# Altium PCB DB_Main-X01.PcbDoc (part 1 of 2)
Units mm, origin at the board's own origin, x right, y up, seen from the top; angles counter-clockwise.
Board outline 99.57 x 76.45 mm, 2 copper layers (Top Layer, Bottom Layer), stack 1.711 mm thick; 143 components, 90 nets, 453 pads, 275 vias.
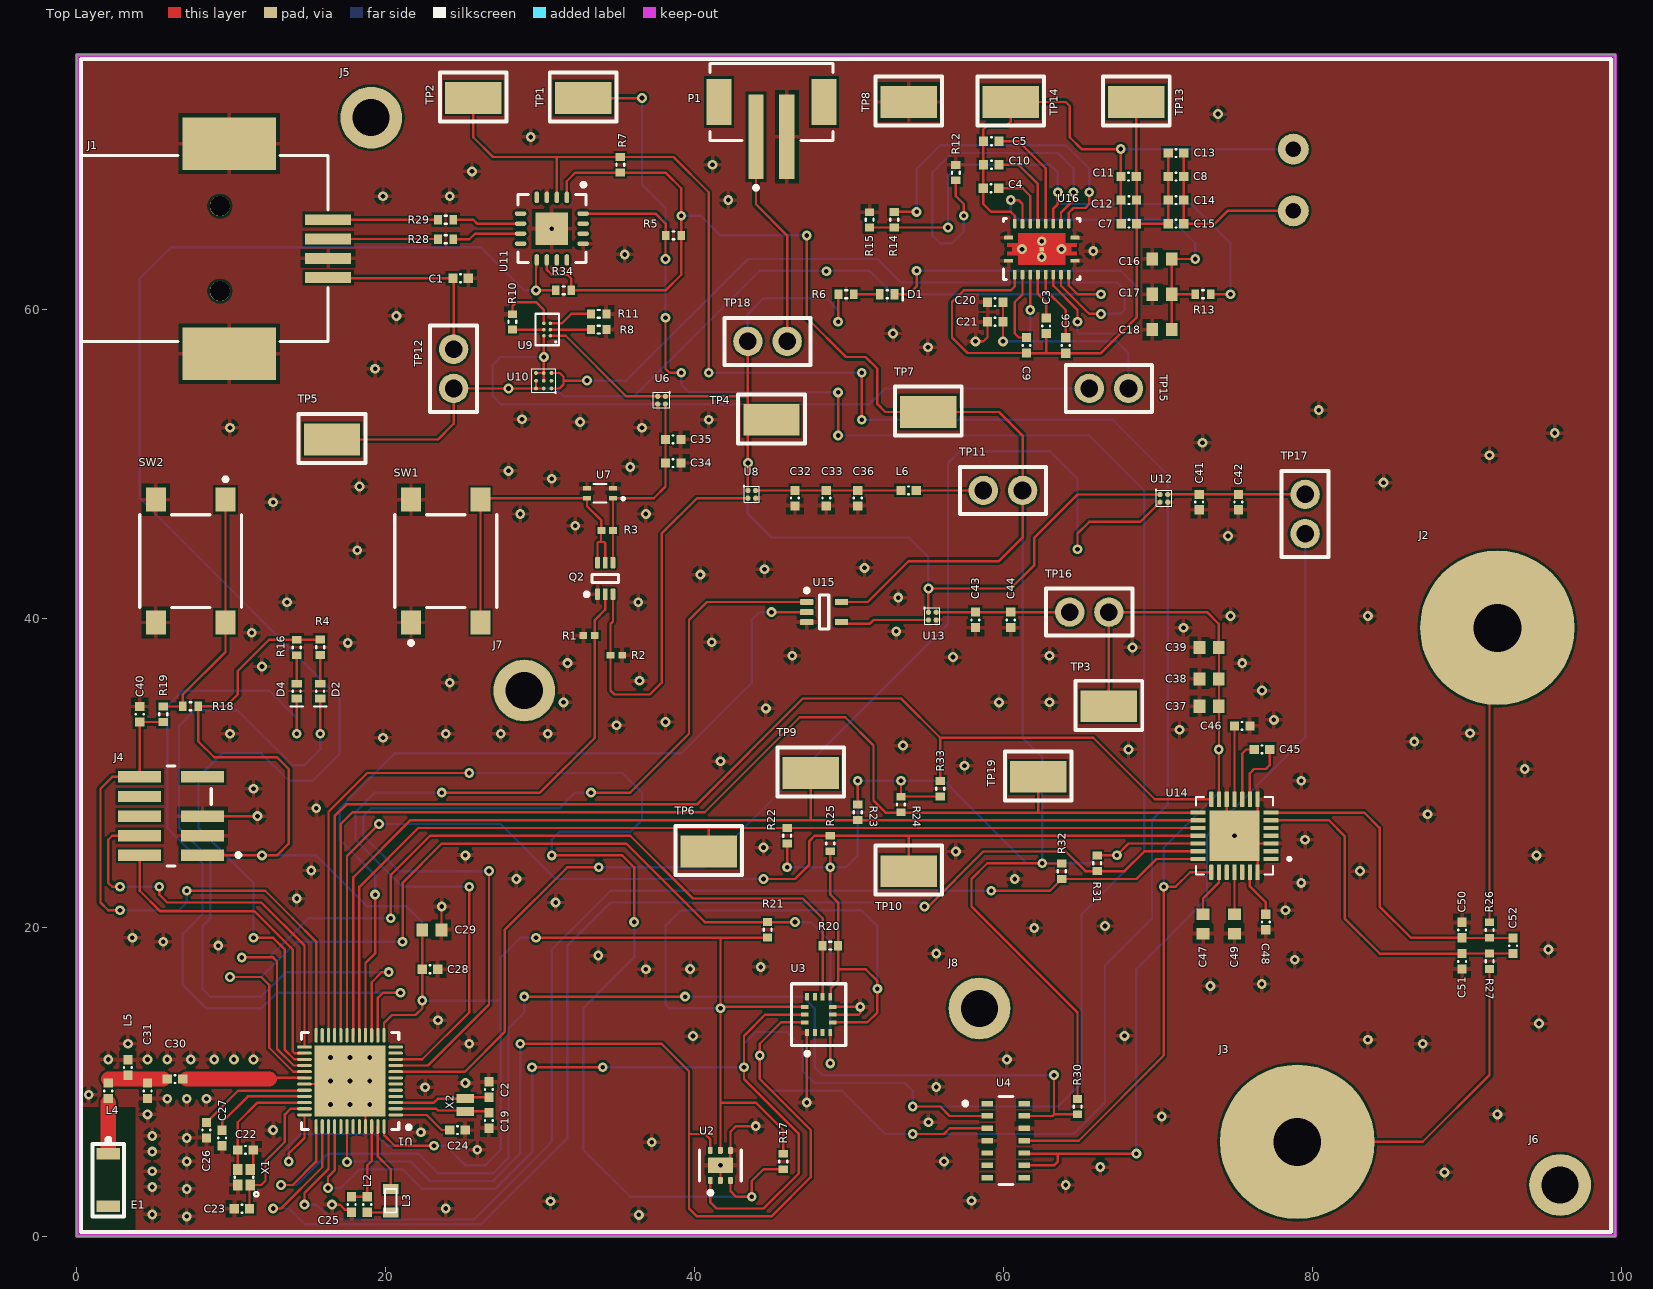
[diagram p0: Top Layer view]
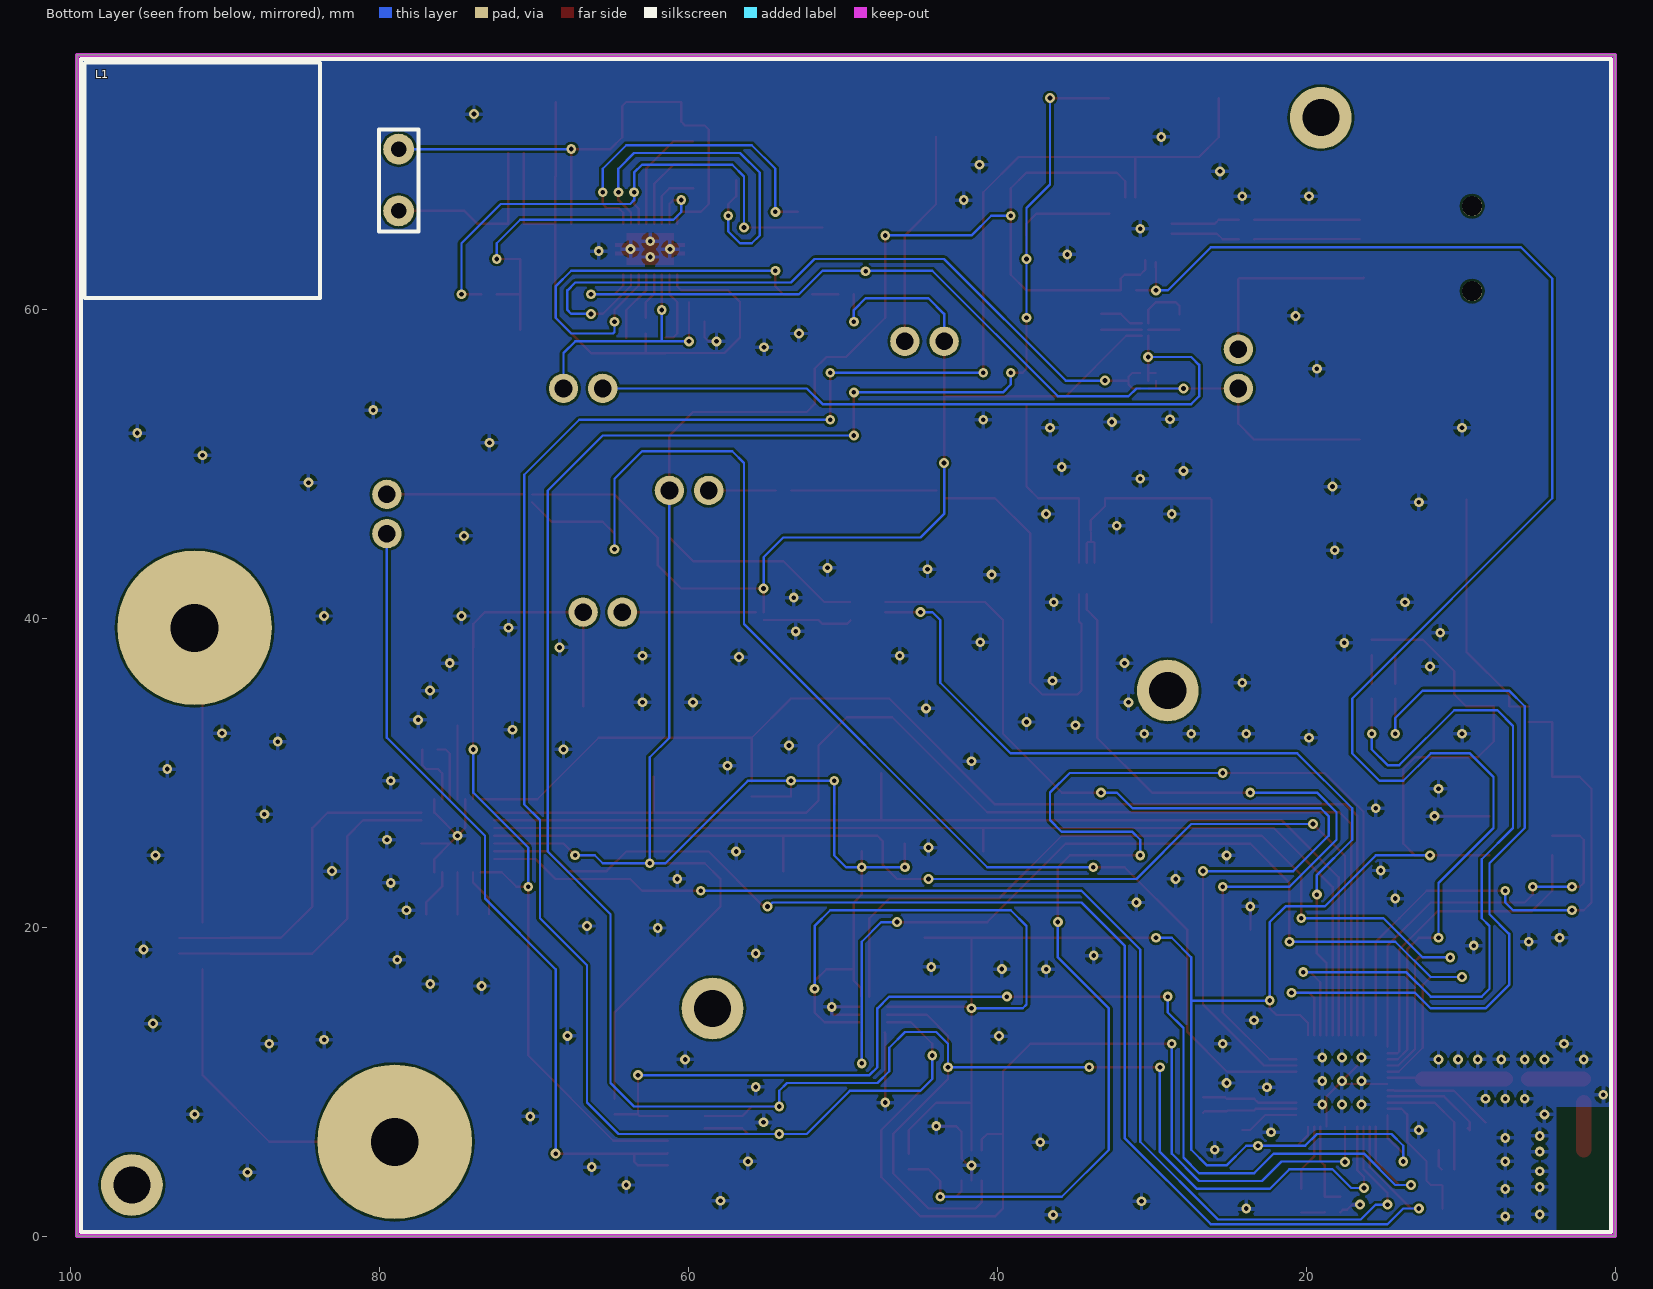
[diagram p1: Bottom Layer view, seen from below]
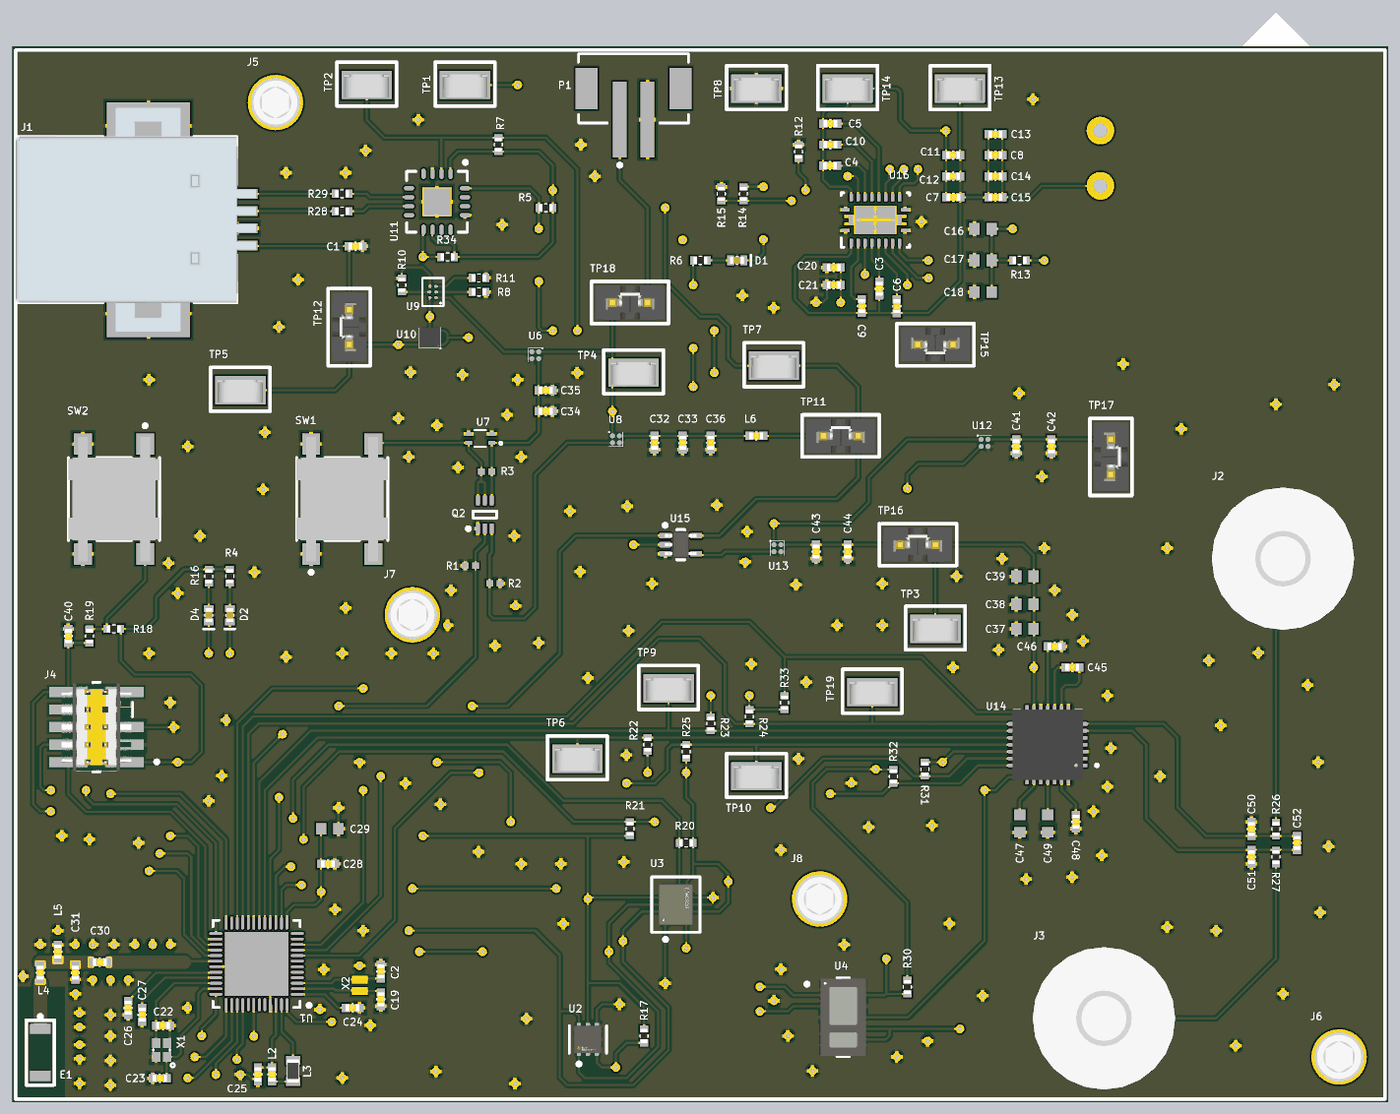
[diagram p3: 3D render of the assembled board from above, using the file's embedded part models]

## Layer stack, top to bottom
Top Solder: solder mask 0.0254, SM-001, Dk 4
Top Layer: signal copper 0.035
Dielectric 2: prepreg 0.0711, PP-006, Dk 4.1
Dielectric 1: core 1.4986, Core-043, Dk 4.3
Dielectric 3: prepreg 0.0711, PP-006, Dk 4.1
Bottom Layer: signal copper 0.035
Bottom Solder: solder mask 0.0254, SM-001, Dk 4

## Board outline
0,0 99.568,0 99.568,76.454 0,76.454

## Design rules (kind name [scope] priority, off if disabled: settings)
Clearance [All] p1: gap=0.152 ignorepadtopadclearanceinfootprint=FALSE
ComponentClearance [All] p1: gap=0.381 collisioncheckmode=3 verticalgap=0.254 showdistances=FALSE
HoleSize [All] p1: absolutevalues=TRUE maxlimit=5.08 minlimit=0.305 maxpercent=80.000 minpercent=20.000
MinimumSolderMaskSliver [All] p1: minsoldermaskwidth=0.152
PolygonConnect [All] p1: connectstyle=Relief reliefconductorwidth=0.254 reliefentries=4 polygonreliefangle="90 Angle" airgapwidth=0.254
RoutingVias [All] p1: holewidth=0.406 width=0.762 viastyle="Through Hole" minholewidth=0.305 minwidth=0.305 maxholewidth=2.54 maxwidth=1.27
SilkToSilkClearance [All] p1: silktosilkclearance=0.152
SilkToSolderMaskClearance [IsPad] p1: minsilkscreentomaskgap=0.152 clearancetoexposedcopper=TRUE
SolderMaskExpansion [All] p1: expansion=0.102 istentingtop=FALSE
UnRoutedNet [All] p1: checkbadconnections=TRUE
Width [All] p1: maxlimit=1.27 minlimit=0.152 preferedwidth=0.152
24 further rules are at their usual default settings.

## Classes and differential pairs
component class DB_ECG-X01: C37 C38 C39 C45 C46 C47 C48 C49 C50 C51 C52 J2 J3 R26 R27 U14
component class DB_Power-X01: C1 C3 C4 C5 C6 C7 C8 C9 C10 C11 C12 C13 C14 C15 C16 C17 C18 C20 C21 C32 C33 C34 C35 C36 D1 J1 L1 L6 P1 Q2 R1 R2 R3 R6 R8 R10 R11 R12 R13 R14 R15 SW1 TP11 TP12 TP13 TP14 TP15 TP18 U6 U7 U8 U9 U10 U16
component class DB_Pheripherals-X01: C41 C42 C43 C44 J5 J6 J7 J8 R28 R29 TP16 TP17 U2 U3 U4 U11 U12 U13 U15
component class DB_Main-X01: C2 C19 C22 C23 C24 C25 C26 C27 C28 C29 C30 C31 C40 D2 D4 E1 J4 L2 L3 L4 L5 R4 R5 R7 R16 R17 R18 R19 R20 R21 R22 R23 R24 R25 R30 R31 R32 R33 R34 SW2 TP1 TP2 TP3 TP4 TP5 TP6 TP7 TP8 TP9 TP10 TP19 U1 X1 X2

## Components (designator, comment, footprint, x,y, rotation, side; value= is the part's Value field where it differs from the comment)
C1 "1uF" C0402 24.839,61.991 r0 top
C2 "14pF" C0402 26.67,9.488 r270 top
C3 "470nF" C0402 62.738,58.92 r90 top
C4 "10nF" C0402 59.174,67.818 r0 top
C5 "22nF" C0402 59.19,70.866 r0 top
C6 "22nF" C0402 64.008,57.65 r90 top
C7 "68pF" C0402 68.096,65.532 r180 top
C8 "100nF" C0402 71.144,68.58 r180 top
C9 "10nF" C0402 61.468,57.658 r90 top
C10 "470nF" C0402 59.19,69.342 r0 top
C11 "2nF" C0402 68.08,68.58 r180 top
C12 "100pF" C0402 68.088,67.056 r180 top
C13 "10nF" C0402 71.144,70.104 r180 top
C14 "100nF" C0402 71.144,67.056 r180 top
C15 "4.7nF" C0402 71.144,65.532 r180 top
C16 "10uF" C0603 70.241,63.246 r180 top
C17 "10uF" C0603 70.241,60.96 r180 top
C18 "100nF" C0603 70.241,58.674 r180 top
C19 "14pF" C0402 26.67,7.472 r90 top
C20 "4.7uF" C0402 59.444,60.452 r0 top
C21 "4.7uF" C0402 59.444,59.182 r0 top
C22 "12pF" C0402 10.914,5.572 r0 top
C23 "12pF" C0402 10.676,1.762 r180 top
C24 "100nF" C0402 24.63,6.858 r0 top
C25 "1uF" C0402 17.78,2.04 r90 top
C26 "100pF" C0402 8.382,6.85 r270 top
C27 "100pF" C0402 9.398,6.35 r270 top
C28 "4.7uF" C0402 22.852,17.272 r0 top
C29 "100nF" C0603 22.977,19.812 r180 top
C30 "0.5pF" C0402 6.342,10.16 r180 top
C31 "2pF" C0402 4.572,9.398 r270 top
C32 "4.7uF" C0402 46.482,47.76 r270 top
C33 "1uF" C0402 48.514,47.76 r270 top
C34 "1uF" C0402 38.6,50.038 r0 top
C35 "100nF" C0402 38.6,51.562 r180 top
C36 "100nF" C0402 50.546,47.76 r90 top
C37 "100nF" C0603 73.289,34.29 r180 top
C38 "100nF" C0603 73.289,36.068 r180 top
C39 "10uF" C0603 73.289,38.1 r180 top
C40 "1uF" C0402 4.064,33.774 r270 top
C41 "1uF" C0402 72.644,47.506 r270 top
C42 "100nF" C0402 75.184,47.506 r90 top
C43 "1uF" C0402 58.166,39.886 r270 top
C44 "100nF" C0402 60.452,39.886 r90 top
C45 "1uF" C0402 76.708,31.496 r180 top
C46 "1nF" C0402 75.43,33.02 r180 top
C47 "10uF" C0603 72.898,20.203 r90 top
C48 "1uF" C0402 76.962,20.328 r270 top
C49 "10uF" C0603 74.93,20.203 r90 top
C50 "10pF" C0402 89.662,19.804 r270 top
C51 "10pF" C0402 89.662,17.78 r270 top
C52 "1nF" C0402 92.964,18.788 r270 top
D1 "Yellow" LED_0402 52.451,60.96 r0 top
D2 "Orange" LED_0402 15.748,35.273 r270 top
D4 "Red" LED_0402 14.224,35.273 r270 top
E1 "2450AT18B100" 2450AT18B100 2.032,5.334 r270 top
J1 "62910416121" 62910416121 8.256,63.911 r270 top
J2 "ECG_STUD_EYELET" ECG_STUD 91.948,39.37 r0 top
J3 "ECG_STUD_EYELET" ECG_STUD 78.994,6.096 r0 top
J4 "FTSH-105-01-L-DV-007-K" FTSH-105-01-L-DV-007-K 8.128,24.638 r0 top
J5 "M2/2-56 Mounting Hole" "Mounting Hole" 19.05,72.39 r0 top
J6 "M2/2-56 Mounting Hole" "Mounting Hole" 96.012,3.302 r0 top
J7 "M2/2-56 Mounting Hole" "Mounting Hole" 28.956,35.306 r0 top
J8 "M2/2-56 Mounting Hole" "Mounting Hole" 58.42,14.732 r0 top
L1 "WIRELESS CHARGING COIL, RECEIVER" 760308101219 91.44,68.326 r180 bottom
L2 "15nH" L0402 18.796,2.04 r270 top
L3 "10uH" L0603 20.32,2.286 r90 top
L4 "9nH" L0402 2.032,9.398 r270 top
L5 "2nH" L0402 3.302,10.914 r270 top
L6 "1uH" L0402 53.84,48.26 r0 top
P1 "B2B-PH-SM4-TB(LF)(SN)" JST-B2B-PH-SM4-TB-2_V 44.958,73.406 r180 top
Q2 "dual fet SSMini6" SSMini6-F3-B 34.2,42.565 r90 top
R1 "AC0402FR-071ML" RESC1005X37X25LL05T10 33.153,38.862 r180 top
R2 "AC0402FR-071ML" RESC1005X37X25LL05T10 34.919,37.592 r0 top
R3 "AC0402FR-071ML" RESC1005X37X25LL05T10 34.325,45.671 r180 top
R4 "422R" R0402 15.748,38.108 r270 top
R5 "3.3kR" R0402 38.616,64.77 r180 top
R6 "464R" R0402 49.792,60.96 r180 top
R7 "3.3kR" R0402 35.179,69.35 r90 top
R8 "10kR" R0402 33.774,58.674 r180 top
R10 "1.3kR" R0402 28.194,59.174 r90 top
R11 "10kR" R0402 33.774,59.69 r180 top
R12 "10kR" R0402 56.896,68.834 r90 top
R13 "20kR" R0402 72.89,60.96 r0 top
R14 "2kR" R0402 52.908,65.786 r270 top
R15 "196R" R0402 51.308,65.778 r270 top
R16 "422R" R0402 14.224,38.1 r270 top
R17 "3.3kR" R0402 45.72,4.818 r270 top
R18 "10kR" R0402 7.358,34.29 r180 top
R19 "10kR" R0402 5.588,33.774 r270 top
R20 "3.3kR" R0402 48.76,18.796 r180 top
R21 "3.3kR" R0402 44.704,19.82 r90 top
R22 "3.3kR" R0402 45.974,25.908 r90 top
R23 "3.3kR" R0402 50.546,27.432 r270 top
R24 "3.3kR" R0402 53.34,27.932 r270 top
R25 "3.3kR" R0402 48.768,25.408 r90 top
R26 "49.9kR" R0402 91.44,19.804 r270 top
R27 "49.9kR" R0402 91.44,17.78 r90 top
R28 "22R" R0402 23.868,64.516 r0 top
R29 "22R" R0402 23.868,65.786 r0 top
R30 "3.3kR" R0402 64.77,8.374 r270 top
R31 "3.3kR" R0402 66.04,24.13 r270 top
R32 "3.3kR" R0402 63.754,23.614 r270 top
R33 "3.3kR" R0402 55.88,28.948 r90 top
R34 "3.3kR" R0402 31.504,61.214 r180 top
SW1 "B3S-1000" OMRON-B3S-1000-4_V 23.876,43.688 r90 top
SW2 "B3S-1000" OMRON-B3S-1000-4_V 7.366,43.688 r270 top
TP1 "S1751-46R" S1751-46R 32.766,73.66 r0 top
TP2 "S1751-46R" S1751-46R 25.654,73.66 r0 top
TP3 "S1751-46R" S1751-46R 66.802,34.29 r0 top
TP4 "S1751-46R" S1751-46R 44.958,52.832 r0 top
TP5 "S1751-46R" S1751-46R 16.51,51.562 r0 top
TP6 "S1751-46R" S1751-46R 40.894,24.892 r0 top
TP7 "S1751-46R" S1751-46R 55.118,53.34 r0 top
TP8 "S1751-46R" S1751-46R 53.848,73.406 r0 top
TP9 "S1751-46R" S1751-46R 47.498,29.972 r0 top
TP10 "S1751-46R" S1751-46R 53.848,23.622 r0 top
TP11 "JUMPER" JUMPER 58.674,48.26 r0 top
TP12 "JUMPER" JUMPER 24.384,54.864 r90 top
TP13 "S1751-46R" S1751-46R 68.58,73.406 r0 top
TP14 "S1751-46R" S1751-46R 60.452,73.406 r0 top
TP15 "JUMPER" JUMPER 68.072,54.864 r180 top
TP16 "JUMPER" JUMPER 64.262,40.386 r0 top
TP17 "JUMPER" JUMPER 79.502,48.006 r270 top
TP18 "JUMPER" JUMPER 43.434,57.912 r0 top
TP19 "S1751-46R" S1751-46R 62.23,29.718 r0 top
U1 "NRF52832-QFAA-R7" NRF52832-QFAA-R7 17.682,10.036 r0 top
U2 "TMP117AIDRVR" TMP117AIDRVR 41.656,4.572 r0 top
U3 "BMI160" FP-BMI160-MFG 48.018,14.332 r90 top
U4 "MAX30102EFD+" FP-F143A5-1-MFG 60.128,6.172 r0 top
U6 "ADP160" ADP160 37.846,54.102 r270 top
U7 "S-5712ANSL2-I4T1U" SNT-4A 33.86,48.077 r90 top
U8 "ADP160" ADP160 43.684,48.01 r0 top
U9 "BQ25100YFPT" YZP0006 30.446,58.674 r180 top
U10 "CSD75207W15" YZF0009 30.218,55.364 r180 top
U11 "FT201XQ-R" QFN-16_N 30.741,65.207 r0 top
U12 "ADP160" ADP160 70.358,47.752 r0 top
U13 "ADP160" ADP160 55.368,40.128 r0 top
U14 "MAX30003CTI+" QFN50P500X500X80-29N 74.93,25.908 r180 top
U15 "SN74LVC1G32DCKR" DCK0005A_N 48.369,40.386 r0 top
U16 "BQ51013BRHLR" BQ51013BRHLR 62.456,63.882 r0 top
X1 "32MHz" CRYSTAL_1MM6_X_1MM2 10.814,3.802 r90 top
X2 "32.768 kHz" CRYSTAL_1MM2_X_1MM0 25.146,8.48 r270 top

## Footprints (in the part's own frame and the unit in brackets; to place one, negate y for a bottom-side part, rotate by r counter-clockwise, add the part's x,y. Pads: shape width x height; smd on the part's side, far side on the other; paste and mask are expansions set on the pad)
2450AT18B100 [mm] "2.4GHz Mini Antenna SMD, 50 ohm Resistence"
  rect 0.74x1.5 smd mask+0.03: 1(0,0) 2(3.406,0)
  silkscreen extent -1.02,-1.02 4.06,1.02, body extent -0.05,-0.9 3.35,0.9, height 1.4
62910416121 [mm] "USB 2.0 Type B SMT Horizontal"
  rect 0.7x3 smd: 1(1.875,8) 2(-0.625,8) 3(-1.875,8) 4(0.625,8)
  round 1.3 hole 1.3 unplated: MH1(-2.75,1) MH2(2.75,1)
  rect 3.4x6.04 smd: Shell(-6.8,1.6) Shell(6.8,1.6)
  silkscreen extent -6.02,-8 6.02,8, body extent -8.1,-8 8.1,9.39, height 11.16
760308101219 [mm] "WE-WPCC WIRELESS POWER TRANSFER RECEIVER COIL"
  round 2 hole 1: 1(12.7,2.032) 2(12.7,-1.968)
  silkscreen extent -7.62,-7.62 13.97,7.62, body extent -7.5,-7.5 32.5,10.61, height 1.34
ADP160 [mm] "4-Ball WLCSP, CB-4-4"
  round 0.34 smd paste+0.01 mask+0.01: A1(-0.25,0.25) A2(0.25,0.25) B1(-0.25,-0.25) B2(0.25,-0.25)
  silkscreen extent -0.55,-0.53 0.5,0.58, body extent -0.48,-0.48 0.48,0.48, height 0.69
BQ51013BRHLR [mm]
  rrect42% 0.6x0.24 smd: 1(-2.15,-0.75) 10(2.15,-0.75) 11(2.15,0.75) 20(-2.15,0.75)
  rrect42% 0.24x0.6 smd: 2(-1.75,-1.65) 3(-1.25,-1.65) 4(-0.75,-1.65) 5(-0.25,-1.65) 6(0.25,-1.65) 7(0.75,-1.65) 8(1.25,-1.65) 9(1.75,-1.65) 12(1.75,1.65) 13(1.25,1.65) 14(0.75,1.65) 15(0.25,1.65) 16(-0.25,1.65) 17(-0.75,1.65) 18(-1.25,1.65) 19(-1.75,1.65)
  rrect33% 0.3x0.3 smd paste-0.15 mask+0: 21(0,0)
  Top Layer region: -2.25,0.16 -1.925,0.16 -1.925,-0.16 -2.25,-0.16 -2.25,-0.39 -1.525,-0.39 -1.525,-1.025 1.525,-1.025 1.525,-0.39 2.25,-0.39 2.25,-0.16 1.925,-0.16 1.925,0.16 2.25,0.16 2.25,0.39 1.525,0.39 1.525,1.025 -1.525,1.025 -1.525,0.39 -2.25,0.39
  silkscreen extent -2.47,-1.98 2.47,1.97, body extent -2.32,-1.83 2.33,1.83, height 1.01
C0402 [mm]
  rect 0.6x0.6 smd: 1(-0.5,0) 2(0.5,0)
  silkscreen extent -0.02,-0.25 0.02,0.25, body extent -0.5,-0.25 0.5,0.25, height 0.55
C0603 [mm]
  rect 0.75x0.85 smd: 1(-0.625,0) 2(0.625,0)
  body extent -0.85,-0.45 0.85,0.45, height 0.9
CRYSTAL_1MM2_X_1MM0 [mm] "Crystal 1.2 x 1.0 x 0.35mm"
  rect 0.575x1.14 smd paste-0.5 mask+0.06: 1(-0.41,0) 2(0.41,0)
  body extent -0.6,-0.5 0.6,0.5, height 0.35
CRYSTAL_1MM6_X_1MM2 [mm] "1.6 x 1.2 x 0.35mm 4-pin crystal"
  rect 0.7x0.6 smd mask+0.036: 1(-0.5,-0.4) 2(0.5,-0.4) 3(0.5,0.4) 4(-0.5,0.4)
  silkscreen extent -1.24,-0.94 0.05,0.6, body extent -0.8,-0.6 0.8,0.6, height 0.35
DCK0005A_N [mm] "SOT23, 5-Leads, Body 2.15x1.4mm, Pitch 0.65mm, IPC Medium Density"
  rrect25% 0.85x0.4 smd: 1(-1.125,0.65) 2(-1.125,0) 3(-1.125,-0.65) 4(1.125,-0.65) 5(1.125,0.65)
  silkscreen extent -1.25,-1.1 0.3,1.52, body extent -1.14,-1 1.14,1, height 0.94
ECG_STUD [mm] "996 STUD/EYELET COMBO"
  round 10 hole 3.1: 1(0,0)
  body extent -5.16,-5.16 5.16,5.16, height 2.86
FP-BMI160-MFG [mm]
  rect 0.475x0.25 smd paste+0 mask+0: 1(-1.162,0.75) 2(-1.162,0.25) 3(-1.162,-0.25) 4(-1.162,-0.75) 8(1.162,-0.75) 9(1.162,-0.25) 10(1.162,0.25) 11(1.162,0.75)
  rect 0.25x0.475 smd paste+0 mask+0: 5(-0.5,-0.913) 6(0,-0.913) 7(0.5,-0.913) 12(0.5,0.913) 13(0,0.913) 14(-0.5,0.913)
  silkscreen extent -2.65,-1.75 2,1.75, body extent -2.05,-1.8 2.05,1.8, height 0.25
FP-F143A5-1-MFG [mm]
  rect 0.75x0.35 smd paste+0 mask+0: 1(-1.2,2.4) 2(-1.2,1.6) 3(-1.2,0.8) 4(-1.2,0) 5(-1.2,-0.8) 6(-1.2,-1.6) 7(-1.2,-2.4) 8(1.2,-2.4) 9(1.2,-1.6) 10(1.2,-0.8) 11(1.2,0) 12(1.2,0.8) 13(1.2,1.6) 14(1.2,2.4)
  silkscreen extent -2.75,-2.85 0.45,2.85, body extent -2.2,-3.35 2.2,3.35, height 0.25
FTSH-105-01-L-DV-007-K [mm]
  rect 2.79x0.74 smd paste+0 mask+0: 1(0,0) 2(-4.07,0) 3(0,1.27) 4(-4.07,1.27) 5(0,2.54) 6(-4.07,2.54) 8(-4.07,3.81) 9(0,5.08) 10(-4.07,5.08)
  silkscreen extent -2.3,-0.7 2.46,5.78, body extent -5.57,-0.8 1.5,5.88, height 0.25
JST-B2B-PH-SM4-TB-2_V [mm] "SMD, 2-Leads, Body 7.95x5mm, Pitch 2mm"
  rect 1x5.5 smd: 1(1,2.25) 2(-1,2.25)
  rect 1.6x3 smd: MP1(3.4,0) MP2(-3.4,0)
  silkscreen extent -3.98,-2.5 3.98,5.67, body extent -3.97,-2.5 3.97,4.5, height 6.6